# Allegro board WARP7_CPU_REV10_20151109_1600.brd (continued)
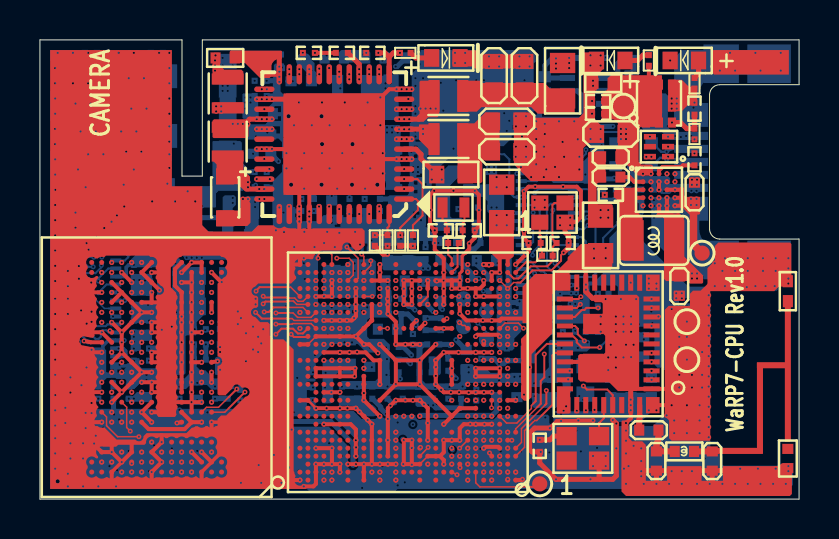
[diagram p0: board, top side]
## Routing (per net, layer and track width the routed paths; a pad name or vN(x,y) marks a point on that pad's centre or on a via; arc(x,y) is an arc through that point) (continued)
GND_SR_PVSS:
  vias: v3(25.93,4.65) v5(26.21,4.42) v5(26.34,4.65) v6(25.83,4.27) v6(26.09,4.27)
PGND:
  vias: v7(28.07,14.48) v7(28.07,14.1) v7(28.45,14.48) v7(28.45,14.1) v7(30.19,14.69) v7(30.59,14.69) v7(31.85,10.31) v7(31.85,10.06) v7(32.13,10.31) v7(32.13,10.06)
PVCC_ENET_CAP: length 8.2
  GND03 w0.254: v5(17.82,3.35) v3(18.16,3.38)
  GND08 w0.381: v3(18.16,3.38) v6(18.16,3)
  ART09 w0.254: v6(18.16,3) 18.57,3 19.08,2.49 19.94,2.49 20.78,3.33 22.86,3.33 23.88,4.34 v1(23.88,5.11)
PVCC_I2C_SPI_UART_CAP: length 1.6
  GND03 w0.254: v5(21.01,8.15) v3(21.18,8.43)
  GND08 w0.254: v6(20.83,7.98) v3(21.18,8.43)
  BOTTOM w0.254: C102.1 v6(20.83,7.98)
VBAT: length 7
  TOP w0.203: v7(31.79,14.69) 32.22,14.69 ; U1.C4 v7(31.79,15.49) 32.08,15.49 ; v7(31.79,15.09) 32.2,15.09
  TOP w0.381: TP12.1 32.72,12.75 32.72,14.33
  BOTTOM w0.178: J3.1 26.1,10.32 ; J3.3 26.06,10.72 ; J3.2 24.76,10.32 ; 24.69,10.92 24.49,11.12 J3.6 ; J3.4 24.76,10.72
  vias: v1(26.04,10.54) v1(26.04,10.29) v1(26.59,10.72) v1(26.59,10.31) v1(26.85,10.72) v1(26.85,10.31) v3(32.26,15.11) v3(32.26,14.61) v4(31.75,14.22) v4(31.75,13.97) v4(32,14.22) v4(32,13.97) v4(32.26,14.22) v4(32.26,13.97) v5(32.59,15.04) v5(32.59,14.73) v5(32.87,15.04) v5(32.87,14.73)
VDD_1P2_CAP: length 13.4
  TOP w0.203: U3.AA10 v5(20.37,9.04)
  ART02 w0.254: v7(19.41,1.75) v9(19.15,1.7)
  GND03 w0.203: v5(20.37,9.04) v3(20.47,9.37) ; v9(19.15,1.7) v3(19.3,1.41)
  GND03 w0.254: v5(19.01,3.35) v3(18.67,3.38)
  GND08 w0.254: v3(18.67,3.38) v6(18.67,3.73) ; v3(20.47,9.37) v6(20.14,9.5) ; v3(19.3,1.41) v4(19.08,1.65)
  ART09 w0.254: v4(19.08,1.65) 18.95,1.78 18.34,1.78 17.7,2.41 17.7,3.12 18.06,3.48 18.41,3.48 v6(18.67,3.73) 18.16,4.24 v1(18.16,5.03) 18.57,5.44 18.57,5.79 19.33,6.55 19.33,8.41 20.14,9.22 v6(20.14,9.5)
  BOTTOM w0.254: v6(20.14,9.5) 20.07,9.58 C70.1
VDD_ARM_IN: length 11.2
  TOP w0.127: U3.L27 v7(13.82,4.55)
  TOP w0.203: v7(16.22,1.75) v7(15.82,1.75) v7(15.42,1.75) ; v7(16.22,1.75) v5(16.61,1.75) ; v7(16.22,1.75) U3.B20 U3.A20 ; v5(17.82,1.75) v5(17.42,1.75) v5(17.01,1.75) v5(16.61,1.75) ; v5(16.61,1.75) U3.F19 v5(16.61,3.75) 16.51,3.85 v7(16.41,3.96) U3.J20 v7(16,4.37) v5(15.82,4.55) v7(15.39,4.55) v7(15.01,4.55) v7(14.35,4.55) v7(13.82,4.55) ; U3.L27 U3.L28
  TOP w0.254: v5(19.61,16.51) 19.08,17.04 19.08,17.27 18.82,17.53 U2.6
  vias: v1(14.3,6.32) v1(14.27,5.59) v1(14.27,4.95) v1(15.11,6.48) v1(15.62,6.48) v3(15.88,4.14) v3(16.33,4.14) v3(16.48,2.11) v3(16.89,2.11) v3(17.86,2.11) v3(19.86,16.26) v3(20.45,16.26) v4(15.98,4.47) v4(15.98,3.81) v4(16.23,4.5) v4(16.23,3.81) v4(16.33,2.49) v4(16.64,2.49) v4(16.92,2.49) v5(19.61,16) v5(20.12,16.51) v5(20.12,16)
VDD_OTG1_1P0_CAP: length 6.3
  GND03 w0.254: v5(20.61,2.55) v3(20.27,2.46)
  GND08 w0.381: v3(20.27,2.46) v6(20.65,2.46)
  ART09 w0.254: v6(20.65,2.46) 21.13,2.95 23.09,2.95 24.77,4.62 v1(24.77,5.16)
VDD_SNVS_1P8_CAP: length 1.6
  GND03 w0.254: v5(21.41,11.38) v3(21.06,11.4)
  GND08 w0.254: v3(21.06,11.4) v6(20.73,11.4)
  BOTTOM w0.254: C76.1 20.62,11.4 v6(20.73,11.4)
VDD_SOC_IN: length 46.9
  TOP w0.178: v7(15.75,6.15) 15.78,6.18 v7(15.78,6.55) ; U3.P23 U3.R23 ; U3.P26 U3.R26
  TOP w0.203: v5(19.01,5.75) v5(19.01,6.95) ; v5(19.01,5.75) U3.L11 U3.J9 ; v5(19.01,5.75) v5(17.82,5.75) ; v5(19.01,6.95) v5(19.82,7.75) ; v5(19.01,6.95) U3.T16 ; U3.J9 v5(20.22,3.75) ; U3.J9 U3.K8 U3.K6 ; v7(17.01,7.75) U3.T16 ; U3.T16 v5(17.82,5.75) ; v5(17.82,5.75) U3.L18 ; U3.L2 v5(23.82,4.95) ; v7(15.75,6.15) U3.P23 U3.P26 ; v7(15.78,6.55) U3.R23 U3.R26 ; v5(21.82,6.15) v5(21.82,6.55) v5(23.01,6.55) v5(23.01,6.15) v5(21.82,6.15)
  ART02 w0.254: v7(15.78,6.55) 15.75,6.52 v7(15.75,6.15) ; v7(18.44,20.04) 18.9,20.04 19.18,20.32 19.18,21.08 19.38,21.29 25.55,21.29 v5(25.83,21.56) ; v5(19.82,7.75) 19.48,8.08 17.35,8.08 v7(17.01,7.75)
  ART02 w0.381: v5(17.82,5.75) 17.42,6.15 v7(15.75,6.15)
  GND03 w0.254: v3(19.35,5.74) v5(19.01,5.75) v3(18.39,5.75) v5(17.82,5.75) ; v5(23.82,4.95) v3(23.52,4.6) v5(23.01,4.55) ; v5(20.22,3.75) v3(20.27,4.22) ; v5(19.82,7.75) v3(20.07,8) ; v3(19.46,6.53) 19.46,6.61 19.31,6.75 v5(19.01,6.95)
  GND08 w0.254: v3(19.46,6.53) 19.24,6.82 18.85,7.21 v6(18.59,7.21) ; v6(22.1,7.04) v3(22.17,6.45) ; v3(20.27,4.22) 20.47,4.42 v6(20.47,4.98) 20.4,5.05 v3(20.14,5.05) ; v6(22.99,6.78) v3(22.66,6.45) ; v3(18.39,5.75) v6(18.03,6.02)
  BOTTOM w0.254: C68.1 22.74,7.03 v6(22.99,6.78) 23.21,6.78 C61.1 24.13,6.94 C65.1 ; v6(18.59,7.21) 18.19,7.62 C64.1 ; v6(18.03,6.02) 17.96,6.1 C63.1
  vias: v3(26.16,22.05) v3(26.16,21.64) v3(26.16,21.23) v5(25.83,22.07) v5(25.83,21.82) v5(26.49,22.1) v5(26.49,21.84) v5(26.49,21.59)
VDDA_1P0_CAP: length 2.4
  GND03 w0.254: v5(21.41,11.75) v3(21.41,12.19)
  GND08 w0.254: v6(21.54,12.52) v3(21.41,12.19)
  BOTTOM w0.254: C67.1 21.87,13.34 22.05,13.16 C66.1 21.74,12.52 v6(21.54,12.52)
VDDA_1P8_IN: length 1.9
  TOP w0.203: U3.AH2 23.41,12.06 ; U3.AF4 v7(22.61,11.35) v7(23.01,11.35) 23.01,12.11
  vias: v3(23.11,13.97) v3(23.11,13.46) v5(22.86,14.22) v5(22.86,13.72) v5(23.37,14.22) v5(23.37,13.72) v6(22.61,14.61) v6(22.61,14.35) v6(22.86,14.61) v6(22.86,14.35)
VDDA_PHY_1P8: length 9.7
  TOP w0.203: U3.Y14 18.61,8.71 v5(18.85,8.94)
  GND03 w0.203: v3(19.02,9.25) 19.02,9.23 v5(18.85,8.94)
  GND03 w0.254: v5(18.22,4.15) v3(18.19,4.5)
  POWER07 w0.254: v3(19.02,9.25) 17.96,8.18 17.96,5.64 18.19,5.14 v3(18.19,4.5)
  GND08 w0.254: v3(19.02,9.25) v6(18.77,9.47) ; v6(17.75,4.83) 17.86,4.83 v3(18.19,4.5)
  BOTTOM w0.254: v6(18.77,9.47) 18.59,9.65 18.46,9.65 C58.1 18.26,10.21 C60.1 ; C59.1 17.6,4.83 v6(17.75,4.83)
VDDD_1P0_CAP: length 11.9
  TOP w0.102: U3.AC13 19.41,10.15 U3.AE12
  TOP w0.203: U3.AE12 v5(19.41,10.95)
  GND03 w0.254: v5(19.41,10.95) v3(19.58,11.25) ; v5(17.82,4.15) v3(17.6,4.42)
  POWER07 w0.254: v3(19.58,11.25) 19.89,10.95 19.89,9.96 19.61,9.68 18.8,9.68 17.6,8.48 17.6,5.66 17.75,5.15 17.75,4.57 v3(17.6,4.42)
  GND08 w0.254: v6(17.32,4.27) v3(17.6,4.42)
  BOTTOM w0.254: v6(17.32,4.27) 17.06,4.53 17.06,4.61 C55.1
  vias: v6(19.18,11.56) v6(19.43,11.56)
VDDIO_WL: length 9.5
  GND03 w0.254: v5(27.76,4.47) v3(27.76,4.83)
  GND08 w0.254: v3(27.76,4.83) v4(28.12,4.83)
  ART09 w0.254: v4(28.12,4.83) 28.87,4.83 30.1,6.05 30.1,6.6 29.72,6.99 v1(29.46,6.99) v1(29.46,7.24) 28.8,7.9 28.41,7.9 v1(27.93,8.38) v1(28.46,9.02)
  BOTTOM w0.254: v1(28.46,9.02) R46.2 R44.2 ; R43.2 v1(27.93,8.38)
AUDIO_SAI1_MCLK: length 29.8
  ART02 w0.076: v7(23.01,2.15) v8(23.01,2.56)
  ART04 w0.102: v8(23.01,2.56) 23.24,2.56 24.31,3.63 25.58,3.63 25.86,3.35 28.12,3.35 30.73,5.97 30.73,6.63 31.22,7.11 31.22,8.05 30.84,8.43 30.84,12.37 30.12,13.08 30.12,14.43 29.67,14.88 29.67,15.54 27.94,17.27 27.94,17.58 27.43,18.08 27.43,18.54 27.18,18.8 26.16,18.8 v3(25.78,18.41)
  GND08 w0.102: v6(25.45,18.39) v3(25.78,18.41)
  BOTTOM w0.102: J3.30 24.86,15.92 25.45,16.51 v6(25.45,18.39)
AUDIO_SAI1_RXD: length 23.9
  ART04 w0.102: v2(23.01,2.95) 23.32,2.95 24.21,3.84 25.68,3.84 25.96,3.56 27.99,3.56 30.52,6.08 30.52,6.77 31.01,7.26 31.01,7.95 30.63,8.33 30.63,12.26 29.92,12.97 29.92,14.33 29.46,14.78 29.46,15.44 27.34,17.56 27.27,17.56 v3(27.05,17.78)
  GND08 w0.102: v6(27.33,17.5) v3(27.05,17.78)
  BOTTOM w0.102: v6(27.33,17.5) 27.33,17.3 27.16,17.12 J3.35
AUDIO_SAI1_TXC: length 25.2
  ART04 w0.076: v2(22.61,2.95) 22.87,3.2 23.29,3.2 24.1,4.01 25.76,4.01 26.01,3.76 26.57,3.76
  ART04 w0.102: 26.57,3.76 27.89,3.76 30.31,6.18 30.31,6.9 30.81,7.39 30.81,7.85 30.43,8.23 30.43,12.17 29.69,12.91 29.69,14.22 29.26,14.66 29.26,15.34 27.37,17.23 26.96,17.23 v3(26.42,17.78)
  GND08 w0.102: v6(26.14,17.48) v3(26.42,17.78)
  BOTTOM w0.102: v6(26.14,17.48) 26.14,16.46 26.27,16.32 J3.31
AUDIO_SAI1_TXD: length 23.8
  ART04 w0.076: 26.57,4.32 23.93,4.32 23.11,3.51 22.37,3.51 v2(22.22,3.35)
  ART04 w0.102: v3(25.78,17.14) 26.34,17.14 26.67,16.81 27.18,16.81 28.85,15.14 28.85,14.35 29.24,13.97 29.24,12.78 29.97,12.05 29.97,7.9 29.87,7.8 29.87,6.35 27.84,4.32 26.57,4.32
  GND08 w0.102: v6(24.92,17.12) 25.54,17.14 v3(25.78,17.14)
  BOTTOM w0.102: J3.36 v6(24.92,17.12)
AUDIO_SAI1_TXFS: length 26.1
  ART04 w0.076: v2(22.22,2.95) 22.62,3.35 23.19,3.35 24,4.17 25.91,4.17 26.04,4.04 26.57,4.04
  ART04 w0.102: 26.57,4.04 27.86,4.04 30.11,6.29 30.11,7 30.58,7.47 30.58,7.77 30.2,8.15 30.2,12.12 29.46,12.85 29.46,14.1 29.06,14.5 29.06,15.24 27.28,17.02 26.8,17.02 26.44,17.37 26.19,17.37 v3(25.78,17.78)
  GND08 w0.102: v6(25.17,17.75) v3(25.78,17.78)
  BOTTOM w0.102: J3.34 25,16.72 25.2,16.92 25.2,17.53 v6(25.17,17.75)
BC3770_INT_B: length 21
  ART02 w0.076: v7(23.41,3.35) 23.98,3.91 23.98,4.37 24.77,5.16 24.77,6.05 25.04,6.32
  ART02 w0.102: v8(26.26,9.6) 26.16,9.5 26.16,7.44 25.04,6.32
  GND03 w0.076: v5(31.79,15.89) v3(32.16,15.82)
  ART04 w0.102: v3(25.27,13.46) 25.68,13.06 25.68,10.46 26.06,10.08 26.06,9.8 v8(26.26,9.6)
  GND08 w0.076: v4(32,15.52) v3(32.16,15.82)
  GND08 w0.102: v4(25.65,13.11) v3(25.27,13.46)
  ART09 w0.102: v4(25.65,13.11) 26.26,13.11 26.34,13.03 28.54,13.03 29.46,13.96 29.46,14.73 29.98,15.24 29.98,15.37 v1(30.1,15.49) 30.28,15.67 31.85,15.67 v4(32,15.52)
BC3770_SHDN_B: length 18.1
  TOP w0.076: 24.89,4.6 23.82,3.52 U3.G1
  TOP w0.102: v7(25.25,7.26) 25.25,6.1 25.07,5.92 25.07,4.78 24.89,4.6
  ART02 w0.102: v8(25.68,9.42) 25.68,7.7 v7(25.25,7.26)
  GND03 w0.076: v5(30.99,15.09) v3(31.22,14.86)
  ART04 w0.102: v8(25.68,9.42) 25.68,10.13 25.48,10.34 25.48,12.6 v3(25.3,12.78)
  GND08 w0.076: v3(31.22,14.86) v4(31.22,14.53)
  GND08 w0.102: v4(25.58,12.55) v3(25.3,12.78)
  ART09 w0.102: v4(31.22,14.53) 31.22,14.08 29.77,12.62 26.47,12.62 26.39,12.55 v4(25.58,12.55)
BOOT_MODE0: length 37.2
  ART04 w0.076: 23.6,12.01 23.24,12.37
  ART04 w0.102: 23.24,12.37 22.45,13.16 22.45,14.53 21.74,15.24 17.88,15.24 17.58,15.54 17.58,16.15 16.84,16.89 11.68,16.89 11.25,16.46 10.87,16.46 10.49,16.08 9.96,16.08 9.25,15.37 6.07,15.37 5.71,15.72 5.71,16.26 5.41,16.56 4.5,16.56 v3(3.94,16) ; v2(23.82,8.55) 23.52,8.84 23.52,9.91 23.6,9.98 23.6,12.01
  GND08 w0.102: v4(3.68,15.75) v3(3.94,16)
  ART09 w0.076: 2.26,10.74 v1(2.46,10.54)
  ART09 w0.102: v4(3.68,15.75) 3.38,16.05 2.92,16.05 2.13,15.27 2.13,10.87 2.26,10.74
  BOTTOM w0.076: v1(2.46,10.54) 2.46,10.31 3.23,9.55 3.45,9.55
  BOTTOM w0.102: 3.45,9.55 J2.28
BOOT_MODE1: length 29.6
  ART04 w0.102: v3(13.58,16.52) 16.8,16.52 17.3,16.03 17.3,15.42 17.7,15.01 21.54,15.01 22.25,14.3 22.25,12.95 22.91,12.29 22.91,10.79 23.32,10.39 23.32,8.65 v2(23.41,8.55)
  GND08 w0.102: v3(13.58,16.52) v4(13.58,16.19)
  ART09 w0.102: v6(4.24,9.95) 4.45,10.16 7.82,10.16 9.91,12.24 10.29,12.24 11.68,13.64 12.27,13.64 13.58,14.95 v4(13.58,16.19)
  BOTTOM w0.102: J2.26 v6(4.24,9.95)
BT_HOST_WAKE: length 7.7
  TOP w0.076: U3.E1 24.1,2.84 24.1,3.53 25.27,4.7
  TOP w0.102: v2(27.2,5.66) 27.38,5.49 28.4,5.49 28.67,5.21 U5.38 ; v2(25.35,5.44) 25.35,4.78 25.27,4.7
  ART04 w0.102: v2(25.35,5.44) 25.45,5.33 26.16,5.33 26.49,5.66 v2(27.2,5.66)
BT_REG_ON: length 12.1
  ART02 w0.076: 24.66,6.27 24.59,6.2 24.59,5.23 23.83,4.47 23.83,3.99 23.53,3.69 23.36,3.69 v7(23.01,3.35)
  ART02 w0.102: v7(29.57,10.84) 29.39,11.02 26.92,11.02 25.96,10.06 25.96,7.57 24.66,6.27
CHARGE_EN_B: length 21.3
  TOP w0.076: U3.F2 v7(23.62,2.95)
  ART02 w0.076: 25.2,6.15 24.92,5.87 24.92,5.08 24.13,4.29 24.13,3.84 23.67,3.38 23.67,3 v7(23.62,2.95)
  ART02 w0.102: 25.2,6.15 26.37,7.32 26.37,9.27 26.57,9.47 26.57,9.91 v8(26.47,10.01)
  GND03 w0.076: v5(30.59,15.09) v3(30.25,15.09)
  ART04 w0.102: v8(26.47,10.01) 25.88,10.59 25.88,13.49 v3(25.27,14.1)
  GND08 w0.102: v4(24.94,13.08) 24.89,13.41 24.89,13.72 v3(25.27,14.1) ; v3(30.25,15.09) v4(30.07,14.81)
  ART09 w0.102: v4(24.94,13.08) 25.2,12.83 28.65,12.83 29.72,13.89 29.72,14.45 v4(30.07,14.81)
CSI_PWDN_B: length 31.7
  ART04 w0.102: v3(5.26,16.15) 5.26,15.77 5.87,15.16 9.35,15.16 9.98,15.8 10.62,15.8 10.69,15.72 11.56,15.72 12.22,16.38 13.03,16.38 13.28,16.13 13.82,16.13 13.92,16.23 15.82,16.23 17.25,14.81 21.36,14.81 22.02,14.15 22.02,10.36 22.61,9.77 v2(22.61,7.75)
  GND08 w0.102: v4(5.41,16.46) v3(5.26,16.15)
  ART09 w0.102: v1(4.81,21.32) 4.81,21.02 6.17,19.66 6.17,17.22 v4(5.41,16.46)
DDR_VREF: length 47.2
  TOP w0.203: v5(2.21,7.92) 2.54,7.85 U4.P13 ; U4.M2 v5(8.89,6.91)
  ART02 w0.254: v7(16.22,6.95) 18.47,6.95 v9(18.62,6.8)
  GND03 w0.254: v5(2.21,7.92) v3(2.21,8.26) ; v5(11.36,20.53) v5(11.1,20.53) 10.79,20.53 v3(10.77,20.55) ; v9(18.62,6.8) v3(18.89,6.53) ; v3(8.56,6.88) v5(8.89,6.91)
  POWER06 w0.356: v3(8.56,6.88) 10.54,6.88 10.9,6.53 17.32,6.53 17.53,6.73 18.68,6.73 v3(18.89,6.53)
  POWER06 w0.381: v3(2.21,8.26) 2.59,8.64 2.59,10.46 6.29,14.17 8.43,14.17 9.53,15.27 9.53,16.61 8.89,17.25 8.89,20.22 9.25,20.57 9.68,20.57 9.93,20.83 10.49,20.83 v3(10.77,20.55)
  POWER07 w0.381: v3(8.56,6.88) 7.9,6.22 4.04,6.22 3.81,5.99 1.78,5.99 1.14,6.63 1.14,7.65 1.6,8.1 2.06,8.1 v3(2.21,8.26)
  GND08 w0.254: v3(8.56,6.88) v6(8.89,6.88) v6(9.14,6.88) ; v3(18.89,6.53) v6(18.54,6.78) ; v6(10.75,20.95) v3(10.77,20.55)
  BOTTOM w0.254: v6(18.54,6.78) 18.34,6.99 C109.1
DRAM_ADDR0: length 7.7
  ART04 w0.076: v2(14.61,9.75) 14.43,9.94 14.43,10.43 14.53,10.53 14.53,11.02 14.33,11.23
  ART04 w0.102: v2(8.59,10.85) 9.09,11.35 14.2,11.35 14.33,11.23
DRAM_ADDR1: length 7
  ART02 w0.076: v7(8.09,10.85) 8.33,10.61 8.76,10.61
  ART02 w0.102: 8.76,10.61 9.45,10.61 10.03,10.03 v8(10.03,9.78)
  ART04 w0.102: v2(14.22,9.75) 13.94,9.47 11.48,9.47 11.18,9.78 v8(10.03,9.78)
DRAM_ADDR2: length 6.7
  ART02 w0.102: v7(8.59,10.35) 9.2,10.35 v8(9.53,10.03)
  ART04 w0.102: v8(9.53,10.03) 9.65,10.16 11.18,10.16 11.59,9.75 12.04,9.75 12.14,9.85 12.14,10.06 12.24,10.16 12.44,10.16 12.55,10.06 12.55,9.85 12.65,9.75 12.85,9.75 12.95,9.85 12.95,10.06 13.05,10.16 13.26,10.16 13.36,10.06 13.36,9.85 13.46,9.75 v2(13.82,9.75)
DRAM_ADDR3: length 6.7
  ART02 w0.102: v8(9.53,9.65) 9.09,10.08 8.36,10.08 v7(8.09,10.35)
  ART04 w0.102: v2(14.22,9.35) 14.14,9.27 11.18,9.27 11.05,9.4 10.41,9.4 10.29,9.27 9.91,9.27 v8(9.53,9.65)
DRAM_ADDR4: length 7
  ART02 w0.102: v7(8.09,9.85) 8.82,9.85 v8(9.53,9.14)
  ART04 w0.102: v2(14.61,9.35) 14.31,9.04 9.63,9.04 v8(9.53,9.14)
DRAM_ADDR5: length 12.1
  ART04 w0.076: 14.81,7.45 14.95,7.45 15.98,8.48 15.98,10.37 15.53,10.82 15.28,10.82 v2(15.01,10.55)
  ART04 w0.102: v2(8.09,6.35) 8.43,6.35 8.69,6.1 9.27,6.1 10.63,7.45 14.81,7.45
DRAM_ADDR6: length 12.5
  ART04 w0.076: v2(15.01,10.95) 15.11,11.05 15.54,11.05 16.13,10.46 16.13,8.41 14.95,7.23 14.86,7.23
  ART04 w0.102: v2(8.09,5.85) 9.33,5.85 10.71,7.23 14.86,7.23
DRAM_ADDR7: length 11.5
  ART02 w0.076: 8.69,5.61 8.69,5.61 8.49,5.61 8.49,5.61 8.35,5.61 v7(8.09,5.35)
  ART02 w0.102: v8(9.45,6.86) 9.45,6.53 8.89,5.97 8.89,5.74 8.76,5.61 8.69,5.61
  ART04 w0.076: 14.81,7.67 14.91,7.67 15.82,8.59 15.82,10.14 v2(15.42,10.55)
  ART04 w0.102: 14.81,7.67 10.54,7.67 10.06,7.19 9.78,7.19 v8(9.45,6.86)
DRAM_ADDR8: length 11
  ART02 w0.102: v7(8.59,5.35) 8.91,5.35 9.09,5.54 9.09,5.87 9.75,6.53 9.75,7.01 v8(9.4,7.37)
  ART04 w0.076: 14.71,8.2 15.67,9.17 15.67,9.89 v2(15.42,10.15)
  ART04 w0.102: 14.71,8.2 14.66,8.15 10.01,8.15 9.64,7.79 9.64,7.61 v8(9.4,7.37)
DRAM_ADDR9: length 11.3
  ART02 w0.102: v8(9.4,7.87) 10.03,7.24 10.03,6.5 9.35,5.82 9.35,5.44 8.77,4.85 v7(8.59,4.85)
  ART04 w0.076: 14.53,8.36 14.63,8.36 15.49,9.22 15.49,9.67 v2(15.42,9.75)
  ART04 w0.102: 14.53,8.36 9.78,8.36 9.4,7.98 v8(9.4,7.87)
DRAM_CS0_B: length 6.8
  ART04 w0.102: v2(8.09,9.35) 8.67,9.93 9.04,9.93 9.66,10.55 11.4,10.55 11.5,10.45 11.5,10.26 11.6,10.16 11.81,10.16 11.91,10.26 11.91,10.45 12.01,10.55 v2(13.82,10.55)
DRAM_CS1_B: length 8.4
  ART02 w0.076: 8.74,8.61 8.34,8.61 v7(8.09,8.85)
  ART02 w0.102: 8.74,8.61 9.17,8.61 v8(9.4,8.38)
  ART04 w0.076: 14.48,8.59 14.61,8.59 15.29,9.27 15.29,9.47 v2(15.01,9.75)
  ART04 w0.102: v8(9.4,8.38) 9.6,8.59 14.48,8.59
DRAM_DATA0: length 20.8
  ART04 w0.102: v2(15.42,11.75) 15.22,11.75 15.14,11.84 15.14,12.17 15.01,12.29 14.85,12.41 14.69,12.56 13.31,12.56 13.23,12.64 13.23,13.16 13.13,13.26 12.9,13.26 12.8,13.16 12.8,12.65 12.7,12.55 12.5,12.55 12.4,12.65 12.4,13.16 12.29,13.26 4.06,13.26 3.84,13.03 3.84,12.91 3.93,12.81 3.93,12.67 3.79,12.52 3.64,12.52 3.57,12.6 3.4,12.6 3.17,12.37 3.17,11.91 3.33,11.76 3.59,11.76 3.68,11.66 3.68,11.53 3.59,11.43 3.3,11.43 3.2,11.33 3.2,11.19 3.3,11.09 3.56,11.09 3.66,10.99 3.66,10.79 3.56,10.68 3.28,10.68 3.17,10.58 3.17,10.11 3.25,10.03 3.51,10.03 3.76,9.78 3.89,9.78 3.96,9.86 3.96,10.26 3.87,10.35 v2(3.59,10.35)
DRAM_DATA1: length 21.7
  ART02 w0.076: v7(4.09,9.85) 3.84,10.11 2.97,10.11
  ART02 w0.102: 2.97,10.11 2.84,10.11 2.41,10.54 v8(2.03,10.54)
  ART04 w0.076: v2(16.61,11.35) 16.32,11.65 16.32,12.1 16.37,12.15 16.37,12.37
  ART04 w0.102: v8(2.03,10.54) 2.03,12.58 arc(2.07,12.78) 2.18,12.94 3.48,14.24 arc(3.54,14.28) 3.62,14.3 14.67,14.3 arc(14.82,14.27) 14.95,14.18 16.29,12.84 arc(16.35,12.75) 16.37,12.65 16.37,12.37
DRAM_DATA2: length 21.8
  TOP w0.076: U3.AG20 16.56,11.7 v2(16.56,11.94)
  ART02 w0.102: v7(3.09,9.85) 2.26,9.99 v8(2.03,10.03)
  ART04 w0.102: v8(2.03,10.03) 1.87,10.25 arc(1.79,10.37) 1.74,10.5 1.71,10.61 arc(1.7,10.65) 1.7,10.68 1.7,12.34 arc(1.79,12.77) 2.03,13.13 3.31,14.41 arc(3.41,14.48) 3.53,14.5 14.67,14.5 arc(14.94,14.45) 15.17,14.3 16.5,12.97 arc(16.56,12.87) 16.59,12.75 16.59,12.37 16.56,12.17 v2(16.56,11.94)
DRAM_DATA3: length 20.8
  TOP w0.076: v2(14.86,12.06) 15.48,12.06 15.68,11.86 15.68,11.22 U3.AF22
  ART04 w0.102: v2(4.09,9.35) 4.09,9.65 4.17,9.73 4.17,10.41 3.89,10.69 3.89,11.81 3.73,11.96 3.48,11.96 3.38,12.07 3.38,12.21 3.48,12.32 3.91,12.32 4.17,12.57 4.17,12.93 4.27,13.03 10.41,13.03 10.52,12.93 10.52,12.4 10.62,12.29 10.82,12.29 10.92,12.4 10.92,12.95 11.02,13.06 11.23,13.06 11.33,12.95 11.33,12.37 11.43,12.27 11.63,12.27 11.73,12.37 11.73,12.98 11.81,13.06 12.06,13.06 12.17,12.95 12.17,12.4 12.24,12.32 12.78,12.32 12.93,12.47 13.08,12.47 13.23,12.32 14.61,12.32 v2(14.86,12.06)
DRAM_DATA4: length 20.8
  ART04 w0.102: v2(3.09,9.35) 3.09,9.19 3,9.09 2.74,9.09 2.54,9.3 2.54,12.66 3.75,13.87 14.53,13.87 15.75,12.65 15.75,12.19 16.1,11.84 16.1,11.51 15.82,11.23 15.82,11.05 16.03,10.85 16.11,10.85 v2(16.22,10.95)
DRAM_DATA5: length 20.8
  ART04 w0.102: v2(4.09,8.85) 4.09,8.85 4.09,8.59 4.01,8.51 3.89,8.51 3.81,8.59 3.81,9.42 3.4,9.83 3.07,9.83 2.97,9.93 2.97,12.47 3.96,13.46 13.41,13.46 13.54,13.34 13.54,12.92 13.66,12.8 13.83,12.8 13.94,12.92 13.94,13.21 14.07,13.34 14.27,13.34 14.38,13.23 14.38,12.9 14.49,12.79 14.8,12.79 15.82,11.76 15.82,11.51 15.67,11.35 v2(15.42,11.35)
DRAM_DATA6: length 20.8
  TOP w0.076: 15.62,12.37 15.93,12.06 15.93,11.06 U3.AF21
  TOP w0.102: 15.62,12.37 v2(15.37,12.62)
  ART04 w0.102: v2(3.09,8.85) 3.16,8.79 3.53,8.79 3.61,8.86 3.61,9.04 3.53,9.12 3.43,9.12 3.35,9.19 3.35,9.53 3.25,9.63 2.82,9.63 2.74,9.7 2.74,12.55 3.86,13.67 13.56,13.67 13.72,13.51 13.97,13.51 14.12,13.67 14.43,13.67 14.55,13.54 14.55,13.34 14.68,13.21 14.88,13.21 15.01,13.08 15.01,12.88 15.16,12.73 15.27,12.73 v2(15.37,12.62)
DRAM_DATA7: length 21
  TOP w0.076: v2(16.1,12.27) 16.22,12.16 U3.AH20 ; U4.R12 v2(3.51,8.43)
  ART04 w0.102: v2(16.1,12.27) 16.1,12.65 14.66,14.1 3.62,14.1 2.34,12.81 2.34,9.19 2.95,8.59 3.28,8.59 v2(3.51,8.43)
DRAM_DATA8: length 23.9
  ART04 w0.076: v2(17.01,9.75) 17.25,9.52 17.25,9.09 17.6,8.74 17.6,7.65 16.26,6.3 15.8,6.3 15.27,5.77 12.42,5.77
  ART04 w0.102: v2(3.59,7.35) 3.59,7.56 3.4,7.75 3.15,7.75 2.77,8.12 2.56,8.12 2.33,7.89 2.33,7.68 2.81,7.2 3.16,7.2 3.35,7.01 4.17,7.01 4.35,6.83 4.35,6.27 4.65,5.97 4.65,4.67 4.9,4.42 11.71,4.42 12.06,4.78 12.06,5.59 12.24,5.77 12.42,5.77
DRAM_DATA9: length 23.9
  ART04 w0.076: 12.42,6.45 14.91,6.45 16.64,8.18 16.64,9.25 16.74,9.35 v2(16.99,9.35)
  ART04 w0.102: 12.42,6.45 11.46,6.45 11.3,6.3 11.3,5.28 11.15,5.13 7.77,5.13 7.52,5.38 7.52,6.38 7.19,6.71 7.19,6.91 6.99,7.11 5.51,7.11 5.36,7.26 5.36,7.54 5.21,7.7 3.78,7.7 3.1,8.38 2.79,8.38 2.51,8.66 2.11,8.66 1.32,7.87 1.32,7.16 1.63,6.85 v2(3.09,6.85)
DRAM_DATA10: length 24.7
  ART02 w0.076: v7(4.09,6.85) 3.97,6.73 arc(3.83,6.64) 3.67,6.6 3.13,6.6 arc(2.92,6.54) 2.77,6.38 v8(2.54,5.94)
  ART04 w0.076: 12.5,3.5 13.61,4.62 15.49,4.62 15.75,4.88 16.03,4.88 18.54,7.39 18.54,9.42 v2(17.82,10.15)
  ART04 w0.102: 12.5,3.5 11.86,2.87 4.67,2.87 2.69,4.85 2.69,5.33 arc(2.67,5.43) 2.62,5.51 arc(2.56,5.6) 2.54,5.7 v8(2.54,5.94)
DRAM_DATA11: length 23.9
  ART04 w0.076: v2(17.82,9.75) 17.99,9.75 18.39,9.35 18.39,7.49 15.95,5.05 15.7,5.05 15.42,4.78 13.46,4.78 12.65,3.96
  ART04 w0.102: v2(3.09,6.35) 2.82,6.63 2.24,6.63 2.13,6.53 2.13,6.33 2.24,6.22 2.64,6.22 2.79,6.07 2.79,5.74 2.95,5.59 2.95,4.93 4.8,3.07 11.76,3.07 12.65,3.96
DRAM_DATA12: length 23.8
  ART04 w0.076: v2(17.01,10.15) 17.23,10.36 17.32,10.36 17.4,10.29 17.4,10.06 17.27,9.93 17.27,9.73 17.4,9.6 17.4,9.17 17.78,8.79 17.78,7.59 16.22,6.03 16.06,6.03 15.96,6.13 15.85,6.13 15.75,6.02 15.75,5.91 15.84,5.82 15.84,5.71 15.75,5.61 15.05,5.61 14.97,5.54 14.97,5.31 14.9,5.23 14.75,5.23 14.67,5.31 14.67,5.54 14.59,5.61 14.44,5.61 14.36,5.54 14.36,5.31 14.29,5.23 14.14,5.23 14.06,5.31 14.06,5.54 13.98,5.61 13.83,5.61 13.75,5.54 13.75,5.31 13.68,5.23 13.53,5.23 13.45,5.31 13.45,5.54 13.37,5.61 13.2,5.61 13.12,5.54 13.12,5.35 13.03,5.26 12.91,5.26 12.82,5.35 12.82,5.54 12.74,5.61 12.5,5.61 12.42,5.54
  ART04 w0.102: 12.42,5.54 12.27,5.38 12.27,5.26 12.34,5.18 12.52,5.18 12.6,5.11 12.6,4.98 11.84,4.22 4.67,4.22 4.39,4.5 4.39,5.92 4.09,6.22 v2(4.09,6.35)
DRAM_DATA13: length 23.9
  ART04 w0.076: 12.71,4.76 13.03,5.08 15.14,5.08 15.21,5.16 15.21,5.36 15.29,5.44 15.85,5.44 17.96,7.54 17.96,8.97 17.84,9.08 17.72,9.08 17.55,9.25 17.55,10.59 17.48,10.67 17.13,10.67 v2(17.01,10.55)
  ART04 w0.102: v2(4.09,5.85) 4.19,5.75 4.19,5.16 4.11,5.07 3.85,5.07 3.73,4.95 3.73,4.79 3.85,4.67 3.97,4.67 4.09,4.54 4.09,4.44 4.52,4.01 8.05,4.01 8.2,3.86 8.2,3.62 8.32,3.51 8.49,3.51 8.61,3.62 8.61,3.86 8.76,4.01 9.65,4.01 9.75,3.91 9.75,3.58 9.86,3.48 10.06,3.48 10.16,3.58 10.16,3.91 10.26,4.01 10.47,4.01 10.57,3.91 10.57,3.58 10.67,3.48 10.87,3.48 10.97,3.58 10.97,3.91 11.08,4.01 11.96,4.01 12.71,4.76
DRAM_DATA14: length 23.8
  ART04 w0.076: 13.12,4.86 13.18,4.93 15.34,4.93 15.44,5.03 15.44,5.18 15.52,5.26 15.9,5.26 18.14,7.49 18.14,7.75 18.24,7.85 18.24,8.1 18.11,8.23 18.11,8.38 18.24,8.51 18.24,8.71 18.14,8.81 18.14,9.02 18.24,9.12 18.24,9.27 18.03,9.47 17.94,9.47 v2(17.82,9.35)
  ART04 w0.102: 13.12,4.86 12.99,4.74 12.99,4.56 12.83,4.39 12.65,4.39 12.48,4.23 12.48,4.1 12.27,3.89 12.14,3.89 11.91,3.66 11.91,3.53 11.82,3.43 11.66,3.43 11.58,3.51 11.58,3.73 11.51,3.81 11.3,3.81 11.23,3.73 11.23,3.38 11.13,3.28 7.11,3.28 6.96,3.43 6.71,3.43 6.55,3.28 5.82,3.28 5.61,3.48 5.36,3.48 5.16,3.28 4.95,3.28 3.15,5.08 3.15,5.41 3.8,6.06 3.8,6.24 3.71,6.32 3.43,6.32 3.09,5.99 v2(3.09,5.85)
DRAM_DATA15: length 24.7
  ART02 w0.076: v7(3.59,5.35) 3.35,5.6 2.61,5.6 v8(2.37,5.35)
  ART04 w0.076: v2(17.82,10.55) 18.17,10.19 18.17,10.02 18.69,9.5 18.69,7.29 16.12,4.71 15.81,4.71 15.57,4.47 13.77,4.47 12.47,3.17
  ART04 w0.102: 12.47,3.17 11.96,2.67 4.57,2.67 2.37,4.87 v8(2.37,5.35)
DRAM_DATA16: length 16.7
  TOP w0.102: v7(12.57,8.26) 12.71,8.12 13.38,8.12 U3.W27
  ART02 w0.076: 3.59,12.14 v7(3.59,11.85)
  ART02 w0.102: v7(12.57,8.26) 12.57,8.51 13.27,9.2 13.27,11.17 10.13,14.3 4.95,14.3 3.59,12.94 3.59,12.14
DRAM_DATA17: length 16.5
  TOP w0.102: v7(11.81,8.26) 12.09,8.53 12.67,8.53 12.91,8.3 13.16,8.3 U3.Y27
  ART02 w0.102: v7(4.09,11.85) 4.09,12.42 5.46,13.79 10.01,13.79 12.75,11.05 12.75,9.04 12.4,8.69 12.4,8.56 12.29,8.46 12.29,8.15 12.19,8.05 12.01,8.05 v7(11.81,8.26)
DRAM_DATA18: length 15.9
  TOP w0.076: U3.Y26 13.57,8.79 12.65,8.79 12.62,8.76 12.42,8.76
  TOP w0.102: v7(11.81,8.76) 12.42,8.76
  ART02 w0.102: v7(11.81,8.76) 11.81,8.61 11.89,8.53 12.08,8.53 12.09,8.54 12.09,8.54 12.19,8.65 12.19,8.79 12.55,9.14 12.55,10.95 9.91,13.59 5.59,13.59 4.88,12.88 4.88,12.55 4.8,12.47 4.43,12.47 4.3,12.34 4.3,12.22 4.4,12.12 4.52,12.12 4.59,12.04 v7(4.59,11.85)
DRAM_DATA19: length 16.7
  ART02 w0.076: v7(3.09,11.35) 3.09,12.14
  ART02 w0.102: 3.09,12.14 3.09,12.72 3.39,13.02 3.39,13.02 4.87,14.5 10.26,14.5 13.46,11.3 13.46,9 v7(13.01,8.55)
DRAM_DATA20: length 15.9
  TOP w0.076: U3.AA26 12.72,8.95 12.62,9.04 12.42,9.04
  TOP w0.102: v7(10.79,9.35) 11.1,9.04 12.42,9.04
  ART02 w0.102: v7(10.79,9.35) 10.67,9.35 10.52,9.5 10.52,10.19 8.33,12.37 7.42,12.37 6.63,11.58 6.63,9.4 6.48,9.25 5.99,9.25 5.87,9.37 5.87,9.47 5.71,9.63 4.72,9.63 4.57,9.78 4.57,10.01 3.59,10.99 v7(3.59,11.35)
DRAM_DATA21: length 16
  TOP w0.076: U3.AB26 13.57,9.1 12.89,9.1 12.67,9.32 12.42,9.32
  TOP w0.102: v7(11.81,9.32) 12.42,9.32
  ART02 w0.076: v7(4.59,11.35) 4.75,11.35 4.85,11.25 5.23,11.25 5.33,11.36 5.33,11.51 5.23,11.61 4.93,11.61 4.85,11.69 4.85,11.96
  ART02 w0.102: v7(11.81,9.32) 11.99,9.14 12.17,9.14 12.32,9.3 12.32,10.85 10.65,12.52 10.5,12.52 10.44,12.46 10.3,12.46 10.16,12.6 10.16,12.75 10.22,12.81 10.22,12.95 9.83,13.34 5.62,13.34 5.16,12.87 5.16,12.22 5.08,12.14 4.93,12.14 4.85,12.06 4.85,11.96
DRAM_DATA22: length 16.2
  TOP w0.076: U3.AB27 13.16,9.6 12.42,9.6
  TOP w0.102: v7(11.23,9.37) 11.46,9.37 11.68,9.6 12.42,9.6